# KiCad board 2 - CPU and core components (Rev 3).kicad_pcb
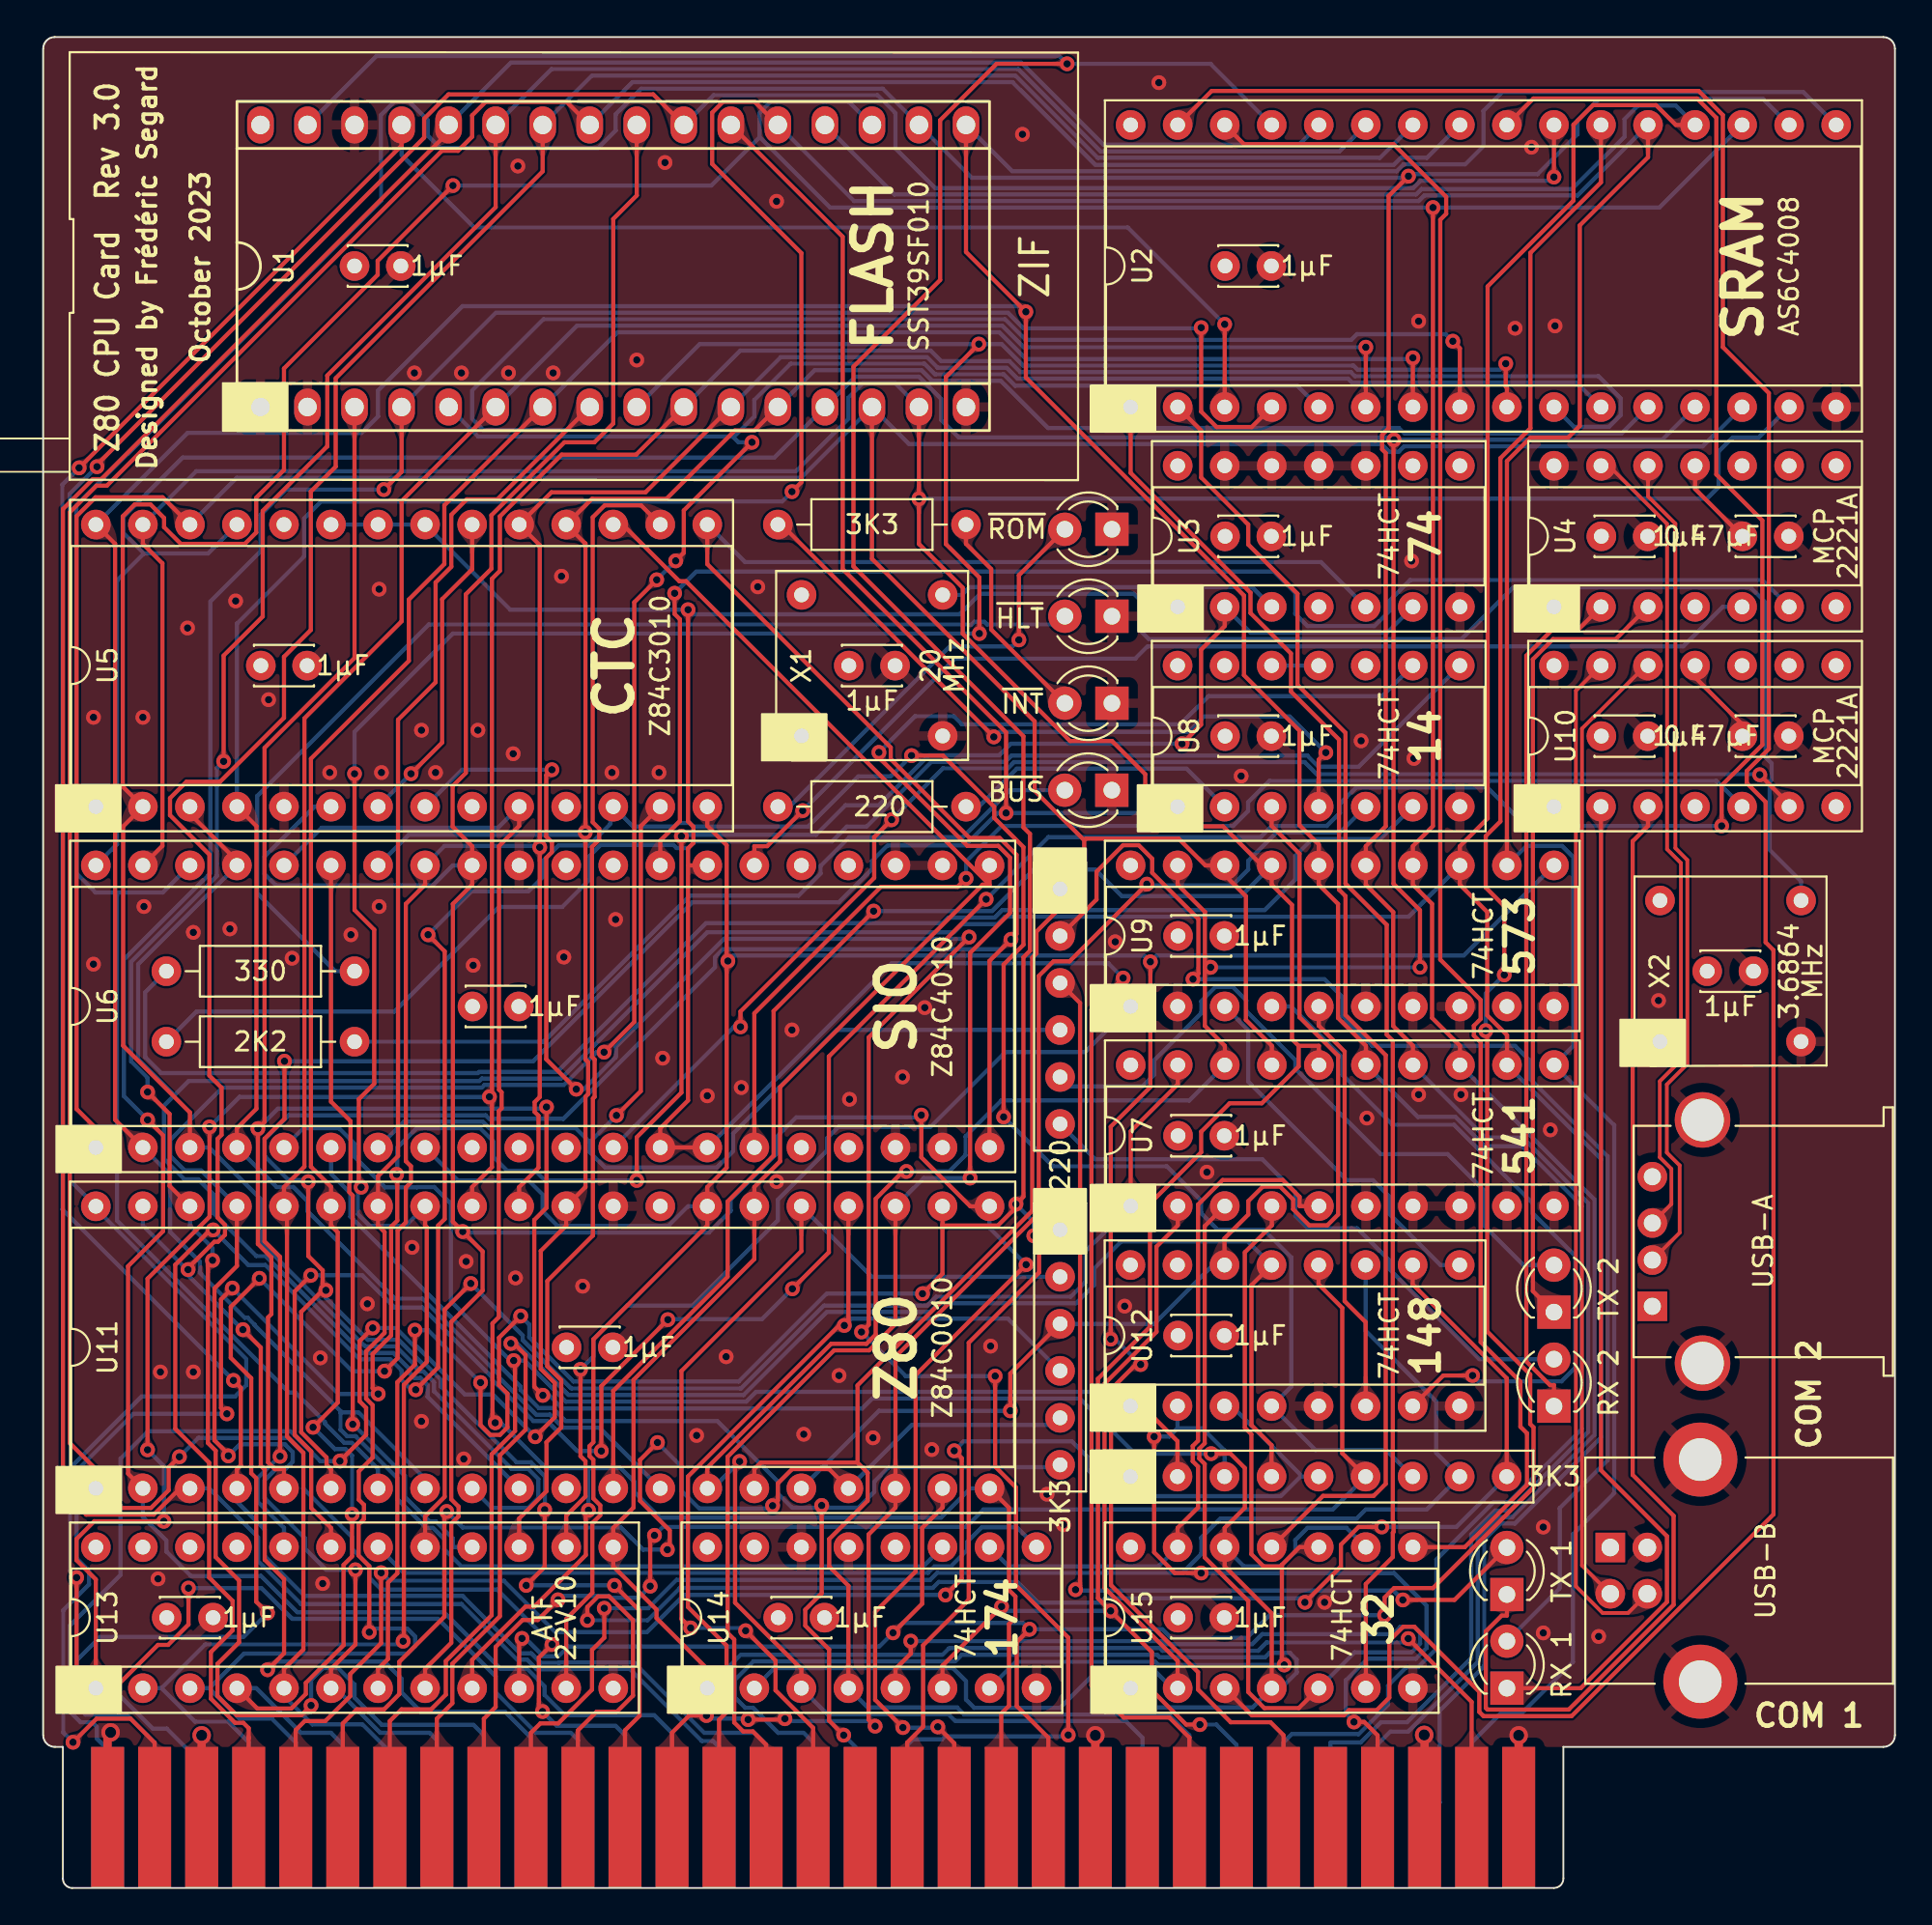
[diagram p0: board, top side]
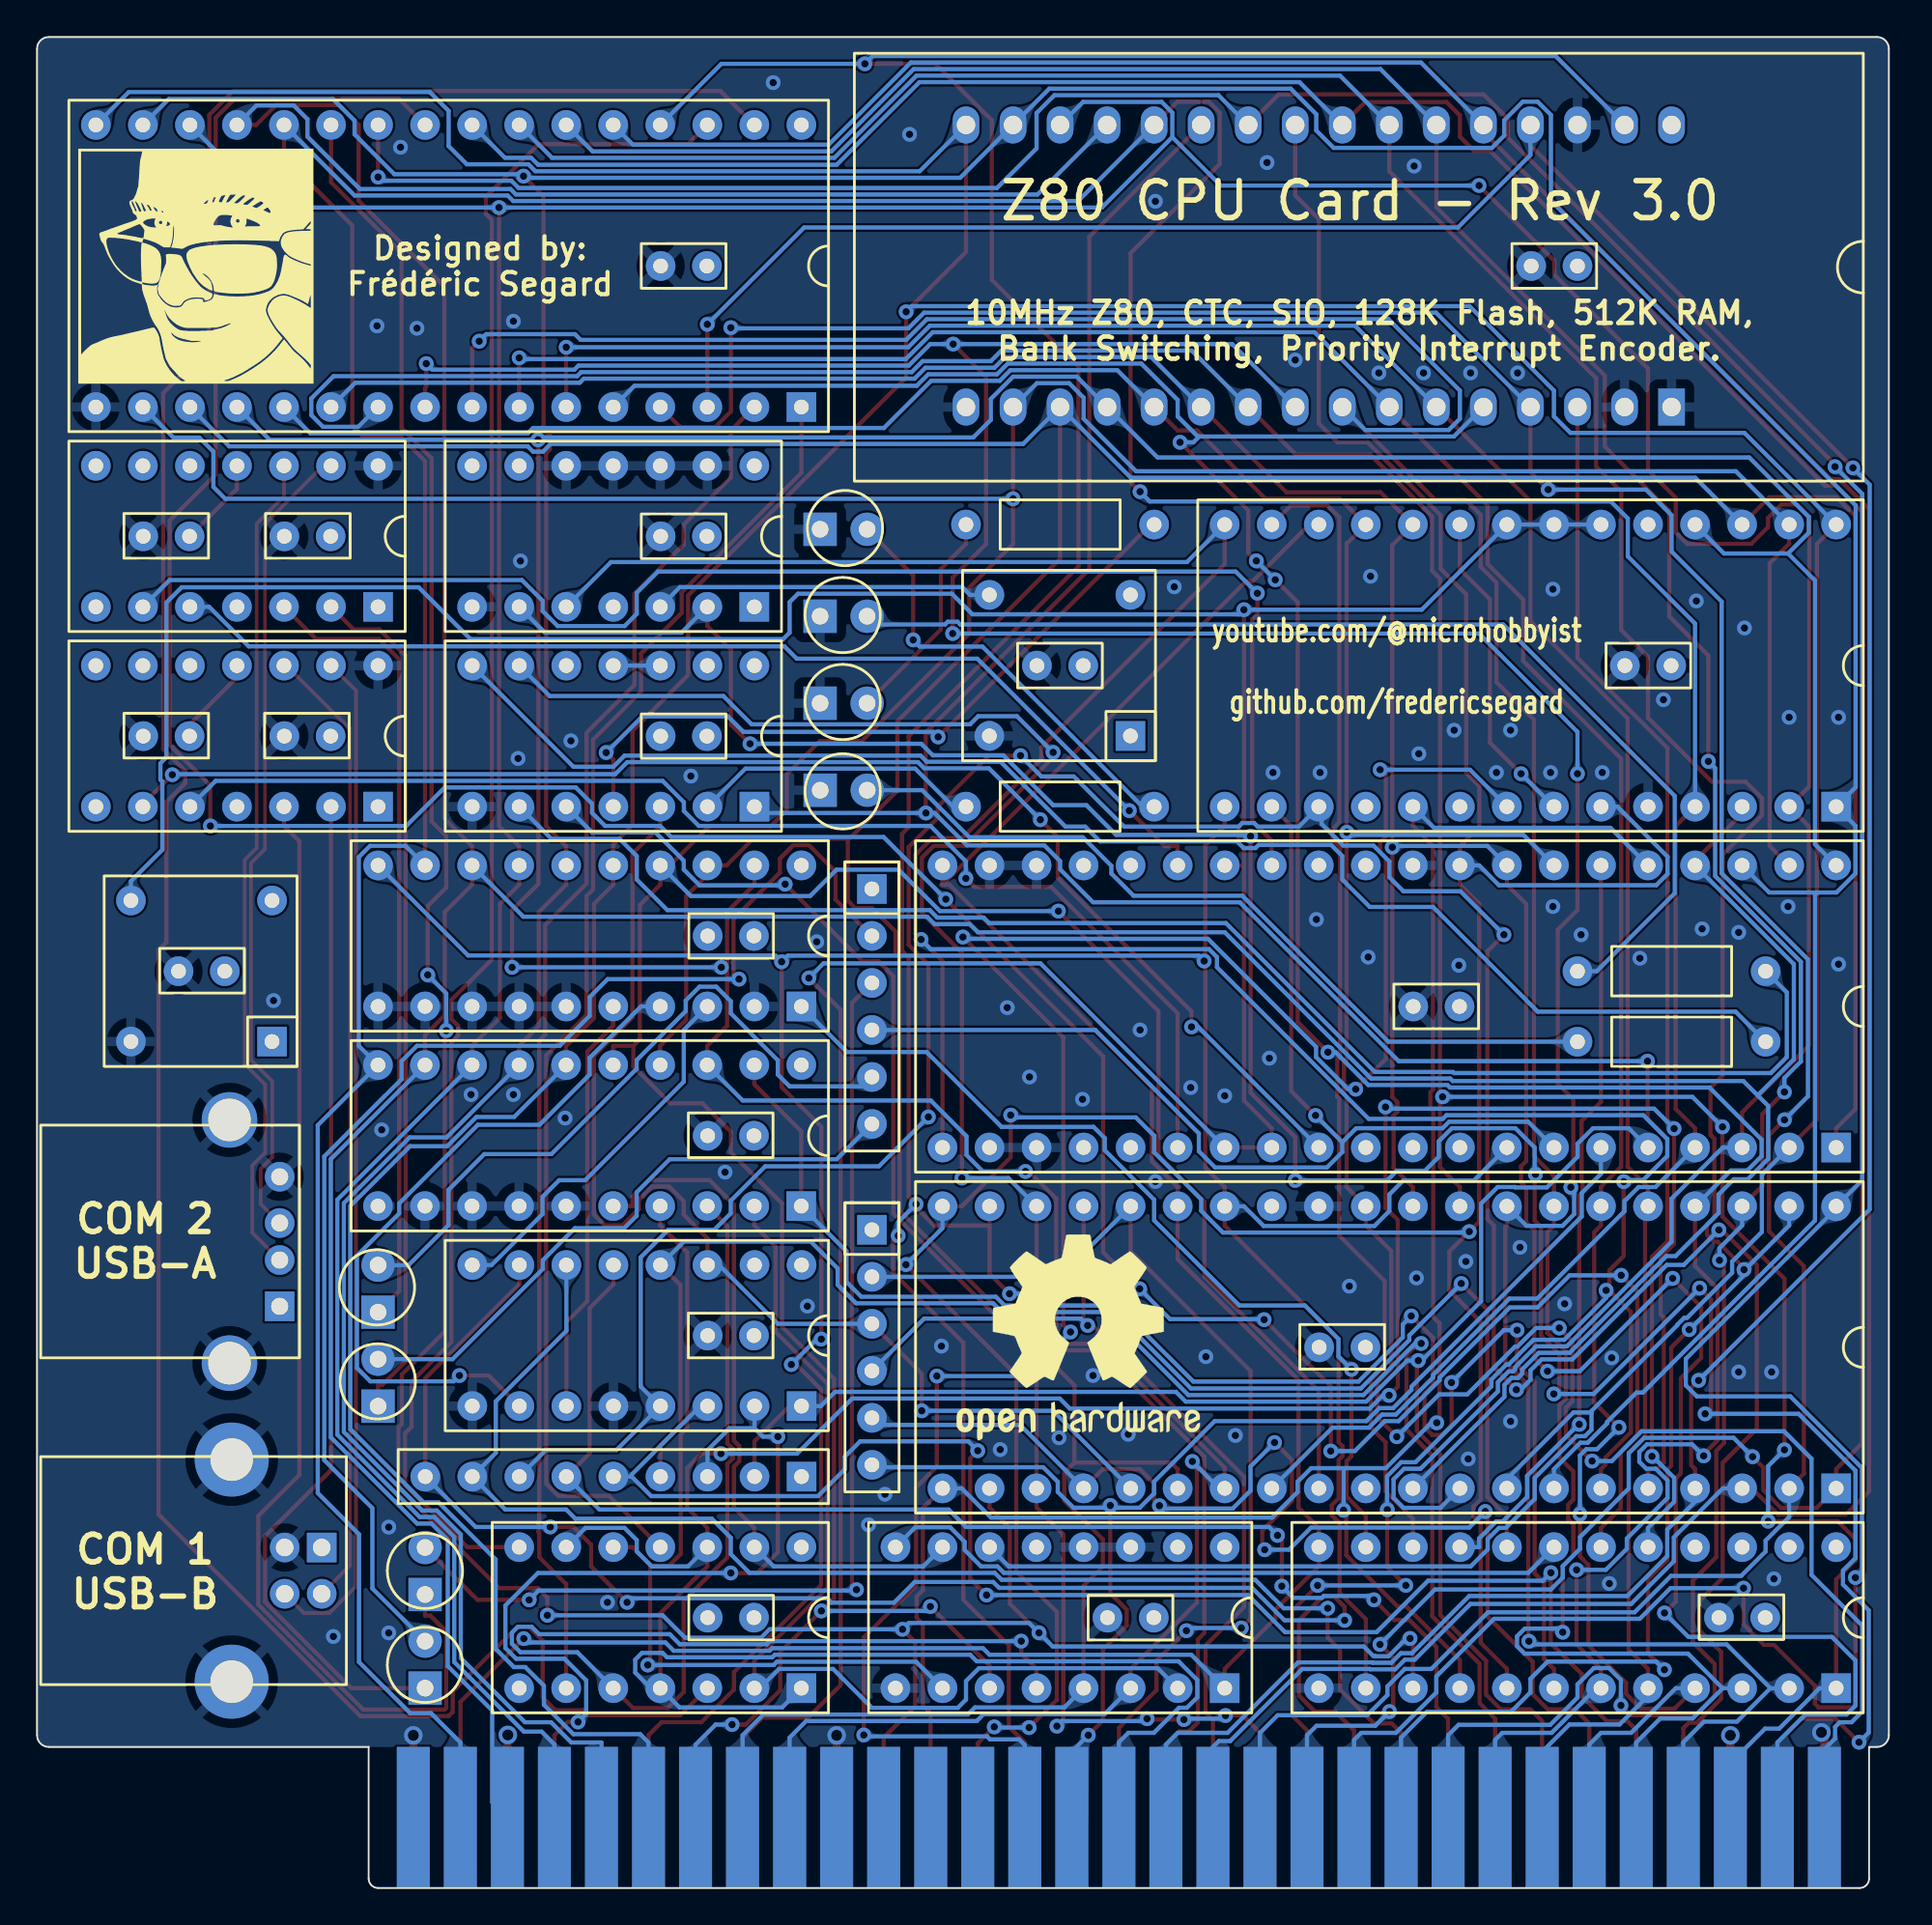
[diagram p1: board, bottom side, seen from below]

Outline 100 x 100 mm; copper layers: Top, In1.Cu (plane), In2.Cu (plane), Bottom. Coordinates in mm from the lower left corner of the outline.
Outline path: 0,99.36 arc(0.19,99.81) 0.64,100 99.36,100 arc(99.81,99.81) 100,99.36 100,8.25 arc(99.81,7.81) 99.36,7.62 82.09,7.62 82.09,0.51 arc(81.94,0.15) 81.58,0 1.57,0 arc(1.22,0.15) 1.07,0.51 1.07,7.62 0.64,7.62 arc(0.19,7.81) 0,8.25 0,99.36
Stack: Top 0.035mm / dielectric 0.1mm FR4 er 4.5 / In1.Cu 0.035mm / dielectric 1.24mm FR4 er 4.5 / In2.Cu 0.035mm / dielectric 0.1mm FR4 er 4.5 / Bottom 0.035mm

## Placement (name value [footprint] x y rotation side)
C1  1µF  [C_Disc_D3.0mm_W2.0mm_P2.50mm]  16.81 87.63 0 top
C2  1µF  [C_Disc_D3.0mm_W2.0mm_P2.50mm]  63.82 87.63 0 top
C3  1µF  [C_Disc_D3.0mm_W2.0mm_P2.50mm]  11.75 66.04 0 top
C4  1µF  [C_Disc_D3.0mm_W2.0mm_P2.50mm]  43.5 66.04 0 top
C5  1µF  [C_Disc_D3.0mm_W2.0mm_P2.50mm]  63.82 73.02 0 top
C6  1µF  [C_Disc_D3.0mm_W2.0mm_P2.50mm]  63.82 62.23 0 top
C7  1µF  [C_Disc_D3.0mm_W2.0mm_P2.50mm]  84.14 73.02 0 top
C8  1µF  [C_Disc_D3.0mm_W2.0mm_P2.50mm]  84.14 62.23 0 top
C9  0.47µF  [C_Disc_D3.0mm_W2.0mm_P2.50mm]  91.76 73.02 0 top
C10  0.47µF  [C_Disc_D3.0mm_W2.0mm_P2.50mm]  91.76 62.23 0 top
C11  1µF  [C_Disc_D3.0mm_W2.0mm_P2.50mm]  23.18 47.62 0 top
C12  1µF  [C_Disc_D3.0mm_W2.0mm_P2.50mm]  61.28 40.64 0 top
C13  1µF  [C_Disc_D3.0mm_W2.0mm_P2.50mm]  61.28 51.43 0 top
C14  1µF  [C_Disc_D3.0mm_W2.0mm_P2.50mm]  89.86 49.53 0 top
C15  1µF  [C_Disc_D3.0mm_W2.0mm_P2.50mm]  6.67 14.6 0 top
C16  1µF  [C_Disc_D3.0mm_W2.0mm_P2.50mm]  39.69 14.6 0 top
C17  1µF  [C_Disc_D3.0mm_W2.0mm_P2.50mm]  28.26 29.21 0 top
C18  1µF  [C_Disc_D3.0mm_W2.0mm_P2.50mm]  61.28 14.6 0 top
C19  1µF  [C_Disc_D3.0mm_W2.0mm_P2.50mm]  61.28 29.84 0 top
D1  ~{INT}  [LED_D3.0mm]  57.71 64.01 180 top
D2  ~{ROM}  [LED_D3.0mm]  57.71 73.41 180 top
D3  ~{HLT}  [LED_D3.0mm]  57.71 68.71 180 top
D4  ~{BUS}  [LED_D3.0mm]  57.71 59.31 180 top
D5  TX 2  [LED_D3.0mm]  81.58 31.11 90 top
D6  RX 2  [LED_D3.0mm]  81.58 26.03 90 top
D7  TX 1  [LED_D3.0mm]  79.04 15.85 90 top
D8  RX 1  [LED_D3.0mm]  79.04 10.79 90 top
G2  MH  [MicroHobbyist]  91.42 87.62 180 bottom
J1  COM 1  [USB_B_Lumberg_2411_02_Horizontal]  84.63 18.39 0 top
J2  COM 2  [USB_A_Stewart_SS-52100-001_Horizontal]  86.9 31.42 90 top
J3  CARD EDGE  [BUS_XT v2]  100 7.62 0 top
R1  3K3  [R_Axial_DIN0207_L6.3mm_D2.5mm_P10.16mm_Horizontal]  39.67 73.66 0 top
R2  2K2  [R_Axial_DIN0207_L6.3mm_D2.5mm_P10.16mm_Horizontal]  6.65 45.72 0 top
R3  330  [R_Axial_DIN0207_L6.3mm_D2.5mm_P10.16mm_Horizontal]  6.65 49.53 0 top
R4  220  [R_Axial_DIN0207_L6.3mm_D2.5mm_P10.16mm_Horizontal]  49.83 58.42 180 top
REF1  -  [OSHW-Logo2_14.6x12mm_SilkScreen]  43.77 29.76 180 bottom
RN1  220  [R_Array_SIP6]  54.91 53.97 270 top
RN2  3K3  [R_Array_SIP6]  54.91 35.56 270 top
RN3  3K3  [R_Array_SIP9]  58.71 22.22 0 top
U1  SST39SF010  [ZIF_Socket-32]  11.73 80.01 90 top
U2  AS6C4008  [DIP-32_W15.24mm_Socket]  58.72 80.01 90 top
U3  74HCT74  [DIP-14_W7.62mm_Socket]  61.26 69.21 90 top
U4  MCP2221A  [DIP-14_W7.62mm_Socket]  81.58 69.21 90 top
U5  Z84C3010  [DIP-28_W15.24mm_Socket]  2.84 58.42 90 top
U6  Z84C4010  [DIP-40_W15.24mm_Socket]  2.84 40 90 top
U7  74HCT541  [DIP-20_W7.62mm_Socket]  58.73 36.84 90 top
U8  74HCT14  [DIP-14_W7.62mm_Socket]  61.26 58.42 90 top
U9  74HCT573  [DIP-20_W7.62mm_Socket]  58.72 47.62 90 top
U10  MCP2221A  [DIP-14_W7.62mm_Socket]  81.58 58.42 90 top
U11  Z84C0010  [DIP-40_W15.24mm_Socket]  2.84 21.59 90 top
U12  74HCT148  [DIP-16_W7.62mm_Socket]  58.71 26.03 90 top
U13  ATF22V10C  [DIP-24_W7.62mm_Socket]  2.84 10.79 90 top
U14  74HCT174  [DIP-16_W7.62mm_Socket]  35.86 10.79 90 top
U15  74HCT32  [DIP-14_W7.62mm_Socket]  58.72 10.79 90 top
X1  20 MHz  [DIP-8-4_W7.62mm_Oscillator_Socket]  40.95 62.24 90 top
X2  3.6864 MHz  [DIP-8-4_W7.62mm_Oscillator_Socket]  87.31 45.73 90 top

## Library data of the parts
C1-C19 = -: Description: Unpolarized capacitor
D1 = -: Description: Light emitting diode; Color: Blue
D2 D6 D8 = -: Description: Light emitting diode; Color: Green
D3 D5 D7 = -: Description: Light emitting diode; Color: Red
D4 = -: Description: Light emitting diode; Color: White
J1 = -: Description: USB Type B connector; Type: USB-B
J2 = -: Description: USB Type A connector; Type: USB-A
J3 = -: Description: Standard Card Edge Connectors 100 VRT 062DP; Height: 15.494; Manufacturer_Name: TE Connectivity; Manufacturer_Part_Number: 6-5530843-5; Mouser Part Number: 571-6-5530843-5; Mouser Price/Stock: https://www.mouser.co.uk/ProductDetail/TE-Connectivity/6-5530843-5?qs=X1mjqRbeMc4evMKvgkFEjA%3D%3D; Field9: 8-BIT ISA CARD EDGE BOARD; Field10: Updated by Frédéric Segard (@microhobbyist)
R1-R4 = -: Description: Resistor, US symbol
RN1 RN2 = -: Description: 5 resistor network, star topology, bussed resistors, small US symbol
RN3 = -: Description: 8 resistor network, star topology, bussed resistors, small US symbol
U1 = -: Description: 128K x 8 Low Power CMOS NOE FLASH, DIP-32
U2 = -: Description: 512K x 8 Low Power CMOS RAM, DIP-32
U3 = -: Description: Dual D Flip-flop, Set & Reset
U4 U10 = -: Description: USB 2.0 to I2C/UART Protocol Converter with GPIO
U5 = -: Description: Z80 CTC
U6 = -: Description: Z80 SIO/0
U7 = -: Description: 8-bit Buffer/Line Driver 3-state outputs
U8 = -: Description: Hex inverter schmitt trigger
U9 = -: Description: 8-bit Latch 3-state outputs
U11 = -: Description: Z80 CPU
U12 = -: Description: Priority Encoder 3 to 8 cascadable
U13 = -: Description: High-performance EE PLD, 12 inputs, 10 I/O
U14 = -: Description: Hex D-type Flip-Flop, reset
U15 = -: Description: Quad 2-input OR
X1 X2 = -: Description: Crystal Clock Oscillator, DIP8-style metal package

## Footprints (pads in the part's own frame, mm; a bottom-side part is the same pattern mirrored in y, then rotated)
BUS_XT v2
  rect 1.78x7.62 smd far side: 1(-20.32,-3.81) 2(-22.86,-3.81) 3(-25.4,-3.81) 4(-27.94,-3.81) 5(-30.48,-3.81) 6(-33.02,-3.81) 7(-35.56,-3.81) 8(-38.1,-3.81) 9(-40.64,-3.81) 10(-43.18,-3.81) 11(-45.72,-3.81) 12(-48.26,-3.81) 13(-50.8,-3.81) 14(-53.34,-3.81) 15(-55.88,-3.81) 16(-58.42,-3.81) 17(-60.96,-3.81) 18(-63.5,-3.81) 19(-66.04,-3.81) 20(-68.58,-3.81) 21(-71.12,-3.81) 22(-73.66,-3.81) 23(-76.2,-3.81) 24(-78.74,-3.81) 25(-81.28,-3.81) 26(-83.82,-3.81) 27(-86.36,-3.81) 28(-88.9,-3.81) 29(-91.44,-3.81) 30(-93.98,-3.81) 31(-96.52,-3.81)
  rect 1.78x7.62 smd: 32(-20.32,-3.81) 33(-22.86,-3.81) 34(-25.4,-3.81) 35(-27.94,-3.81) 36(-30.48,-3.81) 37(-33.02,-3.81) 38(-35.56,-3.81) 39(-38.1,-3.81) 40(-40.64,-3.81) 41(-43.18,-3.81) 42(-45.72,-3.81) 43(-48.26,-3.81) 44(-50.8,-3.81) 45(-53.34,-3.81) 46(-55.88,-3.81) 47(-58.42,-3.81) 48(-60.96,-3.81) 49(-63.5,-3.81) 50(-66.04,-3.81) 51(-68.58,-3.81) 52(-71.12,-3.81) 53(-73.66,-3.81) 54(-76.2,-3.81) 55(-78.74,-3.81) 56(-81.28,-3.81) 57(-83.82,-3.81) 58(-86.36,-3.81) 59(-88.9,-3.81) 60(-91.44,-3.81) 61(-93.98,-3.81) 62(-96.52,-3.81)
C_Disc_D3.0mm_W2.0mm_P2.50mm
  round 1.6 hole 0.8: 1(0,0) 2(2.5,0)
DIP-8-4_W7.62mm_Oscillator_Socket
  rect 1.6x1.6 hole 0.8: 1(0,0)
  oval 1.6x1.6 hole 0.8: 4(0,-7.62) 5(7.62,-7.62) 8(7.62,0)
DIP-14_W7.62mm_Socket
  rect 1.6x1.6 hole 0.8: 1(0,0)
  oval 1.6x1.6 hole 0.8: 2(0,-2.54) 3(0,-5.08) 4(0,-7.62) 5(0,-10.16) 6(0,-12.7) 7(0,-15.24) 8(7.62,-15.24) 9(7.62,-12.7) 10(7.62,-10.16) 11(7.62,-7.62) 12(7.62,-5.08) 13(7.62,-2.54) 14(7.62,0)
DIP-16_W7.62mm_Socket
  rect 1.6x1.6 hole 0.8: 1(0,0)
  oval 1.6x1.6 hole 0.8: 2(0,-2.54) 3(0,-5.08) 4(0,-7.62) 5(0,-10.16) 6(0,-12.7) 7(0,-15.24) 8(0,-17.78) 9(7.62,-17.78) 10(7.62,-15.24) 11(7.62,-12.7) 12(7.62,-10.16) 13(7.62,-7.62) 14(7.62,-5.08) 15(7.62,-2.54) 16(7.62,0)
DIP-20_W7.62mm_Socket
  rect 1.6x1.6 hole 0.8: 1(0,0)
  oval 1.6x1.6 hole 0.8: 2(0,-2.54) 3(0,-5.08) 4(0,-7.62) 5(0,-10.16) 6(0,-12.7) 7(0,-15.24) 8(0,-17.78) 9(0,-20.32) 10(0,-22.86) 11(7.62,-22.86) 12(7.62,-20.32) 13(7.62,-17.78) 14(7.62,-15.24) 15(7.62,-12.7) 16(7.62,-10.16) 17(7.62,-7.62) 18(7.62,-5.08) 19(7.62,-2.54) 20(7.62,0)
DIP-24_W7.62mm_Socket
  rect 1.6x1.6 hole 0.8: 1(0,0)
  oval 1.6x1.6 hole 0.8: 2(0,-2.54) 3(0,-5.08) 4(0,-7.62) 5(0,-10.16) 6(0,-12.7) 7(0,-15.24) 8(0,-17.78) 9(0,-20.32) 10(0,-22.86) 11(0,-25.4) 12(0,-27.94) 13(7.62,-27.94) 14(7.62,-25.4) 15(7.62,-22.86) 16(7.62,-20.32) 17(7.62,-17.78) 18(7.62,-15.24) 19(7.62,-12.7) 20(7.62,-10.16) 21(7.62,-7.62) 22(7.62,-5.08) 23(7.62,-2.54) 24(7.62,0)
DIP-28_W15.24mm_Socket
  rect 1.6x1.6 hole 0.8: 1(0,0)
  oval 1.6x1.6 hole 0.8: 2(0,-2.54) 3(0,-5.08) 4(0,-7.62) 5(0,-10.16) 6(0,-12.7) 7(0,-15.24) 8(0,-17.78) 9(0,-20.32) 10(0,-22.86) 11(0,-25.4) 12(0,-27.94) 13(0,-30.48) 14(0,-33.02) 15(15.24,-33.02) 16(15.24,-30.48) 17(15.24,-27.94) 18(15.24,-25.4) 19(15.24,-22.86) 20(15.24,-20.32) 21(15.24,-17.78) 22(15.24,-15.24) 23(15.24,-12.7) 24(15.24,-10.16) 25(15.24,-7.62) 26(15.24,-5.08) 27(15.24,-2.54) 28(15.24,0)
DIP-32_W15.24mm_Socket
  rect 1.6x1.6 hole 0.8: 1(0,0)
  oval 1.6x1.6 hole 0.8: 2(0,-2.54) 3(0,-5.08) 4(0,-7.62) 5(0,-10.16) 6(0,-12.7) 7(0,-15.24) 8(0,-17.78) 9(0,-20.32) 10(0,-22.86) 11(0,-25.4) 12(0,-27.94) 13(0,-30.48) 14(0,-33.02) 15(0,-35.56) 16(0,-38.1) 17(15.24,-38.1) 18(15.24,-35.56) 19(15.24,-33.02) 20(15.24,-30.48) 21(15.24,-27.94) 22(15.24,-25.4) 23(15.24,-22.86) 24(15.24,-20.32) 25(15.24,-17.78) 26(15.24,-15.24) 27(15.24,-12.7) 28(15.24,-10.16) 29(15.24,-7.62) 30(15.24,-5.08) 31(15.24,-2.54) 32(15.24,0)
DIP-40_W15.24mm_Socket
  rect 1.6x1.6 hole 0.8: 1(0,0)
  oval 1.6x1.6 hole 0.8: 2(0,-2.54) 3(0,-5.08) 4(0,-7.62) 5(0,-10.16) 6(0,-12.7) 7(0,-15.24) 8(0,-17.78) 9(0,-20.32) 10(0,-22.86) 11(0,-25.4) 12(0,-27.94) 13(0,-30.48) 14(0,-33.02) 15(0,-35.56) 16(0,-38.1) 17(0,-40.64) 18(0,-43.18) 19(0,-45.72) 20(0,-48.26) 21(15.24,-48.26) 22(15.24,-45.72) 23(15.24,-43.18) 24(15.24,-40.64) 25(15.24,-38.1) 26(15.24,-35.56) 27(15.24,-33.02) 28(15.24,-30.48) 29(15.24,-27.94) 30(15.24,-25.4) 31(15.24,-22.86) 32(15.24,-20.32) 33(15.24,-17.78) 34(15.24,-15.24) 35(15.24,-12.7) 36(15.24,-10.16) 37(15.24,-7.62) 38(15.24,-5.08) 39(15.24,-2.54) 40(15.24,0)
LED_D3.0mm
  rect 1.8x1.8 hole 0.9: 1(0,0)
  round 1.8 hole 0.9: 2(2.54,0)
R_Array_SIP6
  rect 1.6x1.6 hole 0.8: 1(0,0)
  oval 1.6x1.6 hole 0.8: 2(2.54,0) 3(5.08,0) 4(7.62,0) 5(10.16,0) 6(12.7,0)
R_Array_SIP9
  rect 1.6x1.6 hole 0.8: 1(0,0)
  oval 1.6x1.6 hole 0.8: 2(2.54,0) 3(5.08,0) 4(7.62,0) 5(10.16,0) 6(12.7,0) 7(15.24,0) 8(17.78,0) 9(20.32,0)
R_Axial_DIN0207_L6.3mm_D2.5mm_P10.16mm_Horizontal
  round 1.6 hole 0.8: 1(0,0)
  oval 1.6x1.6 hole 0.8: 2(10.16,0)
USB_A_Stewart_SS-52100-001_Horizontal
  rect 1.6x1.6 hole 0.92: 1(0,0)
  round 1.6 hole 0.92: 2(2.5,0) 3(4.5,0) 4(7,0)
  round 3 hole 2.3: 5(-3.07,-2.71) 5(10.07,-2.71)
USB_B_Lumberg_2411_02_Horizontal
  rect 1.6x1.6 hole 0.95: 1(0,0)
  round 1.6 hole 0.95: 2(0,-2.5) 3(2,-2.5) 4(2,0)
  round 4 hole 2.3: 5(4.86,4.75) 5(4.86,-7.25)
ZIF_Socket-32
  rect 2x1.44 hole 1: 1(0,0)
  oval 2x1.44 hole 1: 2(0,-2.54) 3(0,-5.08) 4(0,-7.62) 5(0,-10.16) 6(0,-12.7) 7(0,-15.24) 8(0,-17.78) 9(0,-20.32) 10(0,-22.86) 11(0,-25.4) 12(0,-27.94) 13(0,-30.48) 14(0,-33.02) 15(0,-35.56) 16(0,-38.1) 17(15.24,-38.1) 18(15.24,-35.56) 19(15.24,-33.02) 20(15.24,-30.48) 21(15.24,-27.94) 22(15.24,-25.4) 23(15.24,-22.86) 24(15.24,-20.32) 25(15.24,-17.78) 26(15.24,-15.24) 27(15.24,-12.7) 28(15.24,-10.16) 29(15.24,-7.62) 30(15.24,-5.08) 31(15.24,-2.54) 32(15.24,0)

## Nets
+3V3: J3.36
+5V: C1.1 C2.1 C3.1 C4.1 C5.1 C6.1 C7.1 C8.1 C11.1 C12.1 C13.1 C14.1 C15.1 C16.1 C17.1 C18.1 C19.1 J3.34 J3.60 RN1.1 RN2.1 RN3.1 U1.32 U2.32 U3.1 U3.4 U3.14 U4.1 U5.24 U6.9 U7.20 U8.13 U8.14 U9.20 U10.1 U11.11 U12.16 U13.24 U14.16 U15.14 X1.1 X1.8 X2.1 X2.8
+12V: J3.40
-12V: J3.38
GND: C1.2 C2.2 C3.2 C4.2 C5.2 C6.2 C7.2 C8.2 C9.2 C10.2 C11.2 C12.2 C13.2 C14.2 C15.2 C16.2 C17.2 C18.2 C19.2 D1.1 D2.1 D3.1 D4.1 J1.4 J1.5 J2.4 J2.5 J3.32 J3.41 J3.62 U1.1 U1.2 U1.16 U1.30 U2.16 U3.7 U3.10 U3.11 U3.12 U3.13 U4.14 U5.5 U6.18 U6.19 U6.22 U6.23 U6.31 U7.6 U7.7 U7.8 U7.9 U7.10 U8.7 U9.2 U9.6 U9.7 U9.8 U9.9 U9.10 U10.14 U11.29 U12.5 U12.8 U13.12 U14.8 U14.13 U14.14 U15.7 X1.4 X2.4
/CTC & SIO/D1+: J1.3 U10.13
/CTC & SIO/D1-: J1.2 U10.12
/CTC & SIO/D2+: J2.3 U4.13
/CTC & SIO/D2-: J2.2 U4.12
/Glue Logic/RBA15: U7.2 U14.2 U15.2
/Glue Logic/RBA16: U7.3 U14.5 U15.5
/Glue Logic/RBA17: U7.4 U14.7 U15.10
/Glue Logic/RBA18: U7.5 U14.10 U15.13
/Glue Logic/~{RAM_SEL}: U13.23
/Glue Logic/~{ROM_DIS}: U13.21
/Glue Logic/~{ROM_SEL}: U13.22
/MISO: J3.12
/MOSI: J3.11
/RX: J3.10
/SCLK: J3.13
/TX: J3.1
A0: J3.31 U1.12 U2.12 U5.18 U6.34 U11.30
A1: J3.30 U1.11 U2.11 U5.19 U6.33 U11.31
A2: J3.29 U1.10 U2.10 U11.32 U13.1
A3: J3.28 U1.9 U2.9 U11.33 U13.2
A4: J3.27 U1.8 U2.8 U11.34 U13.3
A5: J3.26 U1.7 U2.7 U11.35 U13.4
A6: J3.25 U1.6 U2.6 U11.36 U13.5
A7: J3.24 U1.5 U2.5 U11.37 U13.6
A8: J3.23 U1.27 U2.27 U11.38
A9: J3.22 U1.26 U2.26 U11.39
A10: J3.21 U1.23 U2.23 U11.40
A11: J3.20 U1.25 U2.25 U11.1
A12: J3.19 U1.4 U2.4 U11.2
A13: J3.18 U1.28 U2.28 U11.3
A14: J3.17 U1.29 U2.3 U11.4
A15: J3.16 U1.3 U11.5 U15.1 U15.4 U15.9 U15.12
BA15: U2.31 U15.3
BA16: U2.2 U15.6
BA17: U2.30 U15.8
BA18: U2.1 U15.11
BUS_IEO: J3.15 RN2.6 U6.6
CLK: J3.51 U3.5 U5.15 U6.20 U11.6
CLK2: J3.39 U5.21 U5.22 U5.23 U6.13 U6.14 U6.27 X2.5
CTC_IEI: RN1.4 U5.13 U6.7
CTCLK: J3.14 U5.8
D0: J3.9 U1.13 U2.13 U5.25 U6.40 U7.18 U9.19 U11.14 U14.3
D1: J3.8 U1.14 U2.14 U5.26 U6.1 U7.17 U9.18 U11.15 U14.4
D2: J3.7 U1.15 U2.15 U5.27 U6.39 U7.16 U9.17 U11.12 U14.6
D3: J3.6 U1.17 U2.17 U5.28 U6.2 U7.15 U9.16 U11.8 U14.11
D4: J3.5 U1.18 U2.18 U5.1 U6.38 U7.14 U9.15 U11.7
D5: J3.4 U1.19 U2.19 U5.2 U6.3 U7.13 U9.14 U11.9
D6: J3.3 U1.20 U2.20 U5.3 U6.37 U7.12 U9.13 U11.10
D7: J3.2 U1.21 U2.21 U5.4 U6.4 U7.11 U9.12 U11.13
MODE2: U9.1 U13.14
~{BANK_RD}: U7.1 U7.19 U13.17
~{BANK_WR}: U13.18 U14.9
~{BUSAK}: J3.48 U8.9 U11.23
~{BUSRQ}: J3.47 RN2.2 U11.25
~{CLK}: J3.61 U3.2 U3.6
~{CTC_CS}: U5.16 U13.15
~{HALT}: J3.50 U8.5 U11.18
~{INT}: RN2.3 U8.3 U11.16 U12.14
~{IORQ}: J3.43 U5.10 U6.36 U11.20 U13.9
~{IRQ}0: J3.59 RN3.7 U5.12 U12.4
~{IRQ}1: J3.58 RN3.5 U12.3
~{IRQ}2: J3.35 RN3.3 U12.2
~{IRQ}3: J3.56 RN3.2 U6.5 U12.1
~{IRQ}4: J3.55 RN3.4 U12.13
~{IRQ}5: J3.54 RN3.6 U12.12
~{IRQ}6: J3.53 RN3.8 U12.11
~{IRQ}7: J3.52 RN3.9 U12.10
~{M1}: J3.37 U5.14 U6.8 U9.11 U11.27 U13.11
~{MREQ}: J3.42 U2.22 U11.19 U13.10
~{NMI}: J3.57 RN2.5 U11.17
~{RAM_OE}: U2.24 U13.19
~{RD}: J3.44 U1.24 U5.6 U6.32 U11.21 U13.8
~{RESET}: J3.33 U5.17 U6.21 U11.26 U13.13 U14.1
~{ROM_CS}: U1.22 U8.1 U13.20
~{SIO_CS}: U6.35 U13.16
~{WAIT}: J3.49 RN2.4 U11.24
~{WR}: J3.45 U1.31 U2.29 U11.22 U13.7
Net-(D1-A): D1.2 R1.2
Net-(D2-A): D2.2 R4.2
Net-(D3-A): D3.2 R3.2
Net-(D4-A): D4.2 R2.2
Net-(D5-A): D5.2 RN1.5
Net-(D5-K): D5.1 U4.3
Net-(D6-A): D6.2 RN1.6
Net-(D6-K): D6.1 U4.2
Net-(D7-A): D7.2 RN1.3
Net-(D7-K): D7.1 U10.3
Net-(D8-A): D8.2 RN1.2
Net-(D8-K): D8.1 U10.2
Net-(R1-Pad1): R1.1 U8.4
Net-(R2-Pad1): R2.1 U8.8
Net-(R3-Pad1): R3.1 U8.6
Net-(R4-Pad1): R4.1 U8.2
Net-(U3A-C): U3.3 X1.5
Net-(U4-Rx_In): U4.5 U6.26
Net-(U4-Tx_Out): U4.6 U6.28
Net-(U4-VUSB): C9.1 U4.11
Net-(U5-CLK/TRG3): U5.7 U5.20
Net-(U8-Pad11): U8.11 U8.12
Net-(U10-Rx_In): U6.15 U10.5
Net-(U10-Tx_Out): U6.12 U10.6
Net-(U10-VUSB): C10.1 U10.11
Net-(U12-S0): U9.3 U12.9
Net-(U12-S1): U9.4 U12.7
Net-(U12-S2): U9.5 U12.6

Pads without a net: J1 1; J2 1; J3 46; U3 8 9; U4 4 7 8 9 10; U5 9 11; U6 10 11 16 17 24 25 29 30; U8 10; U10 4 7 8 9 10; U11 28; U12 15; U14 12 15

## Via types
v1: diameter 1, hole 0.6, Top to Bottom, 5 vias
v2: diameter 0.8, hole 0.4, Top to Bottom, 267 vias
